# KiCad board shek-rounded.kicad_pcb (continued)
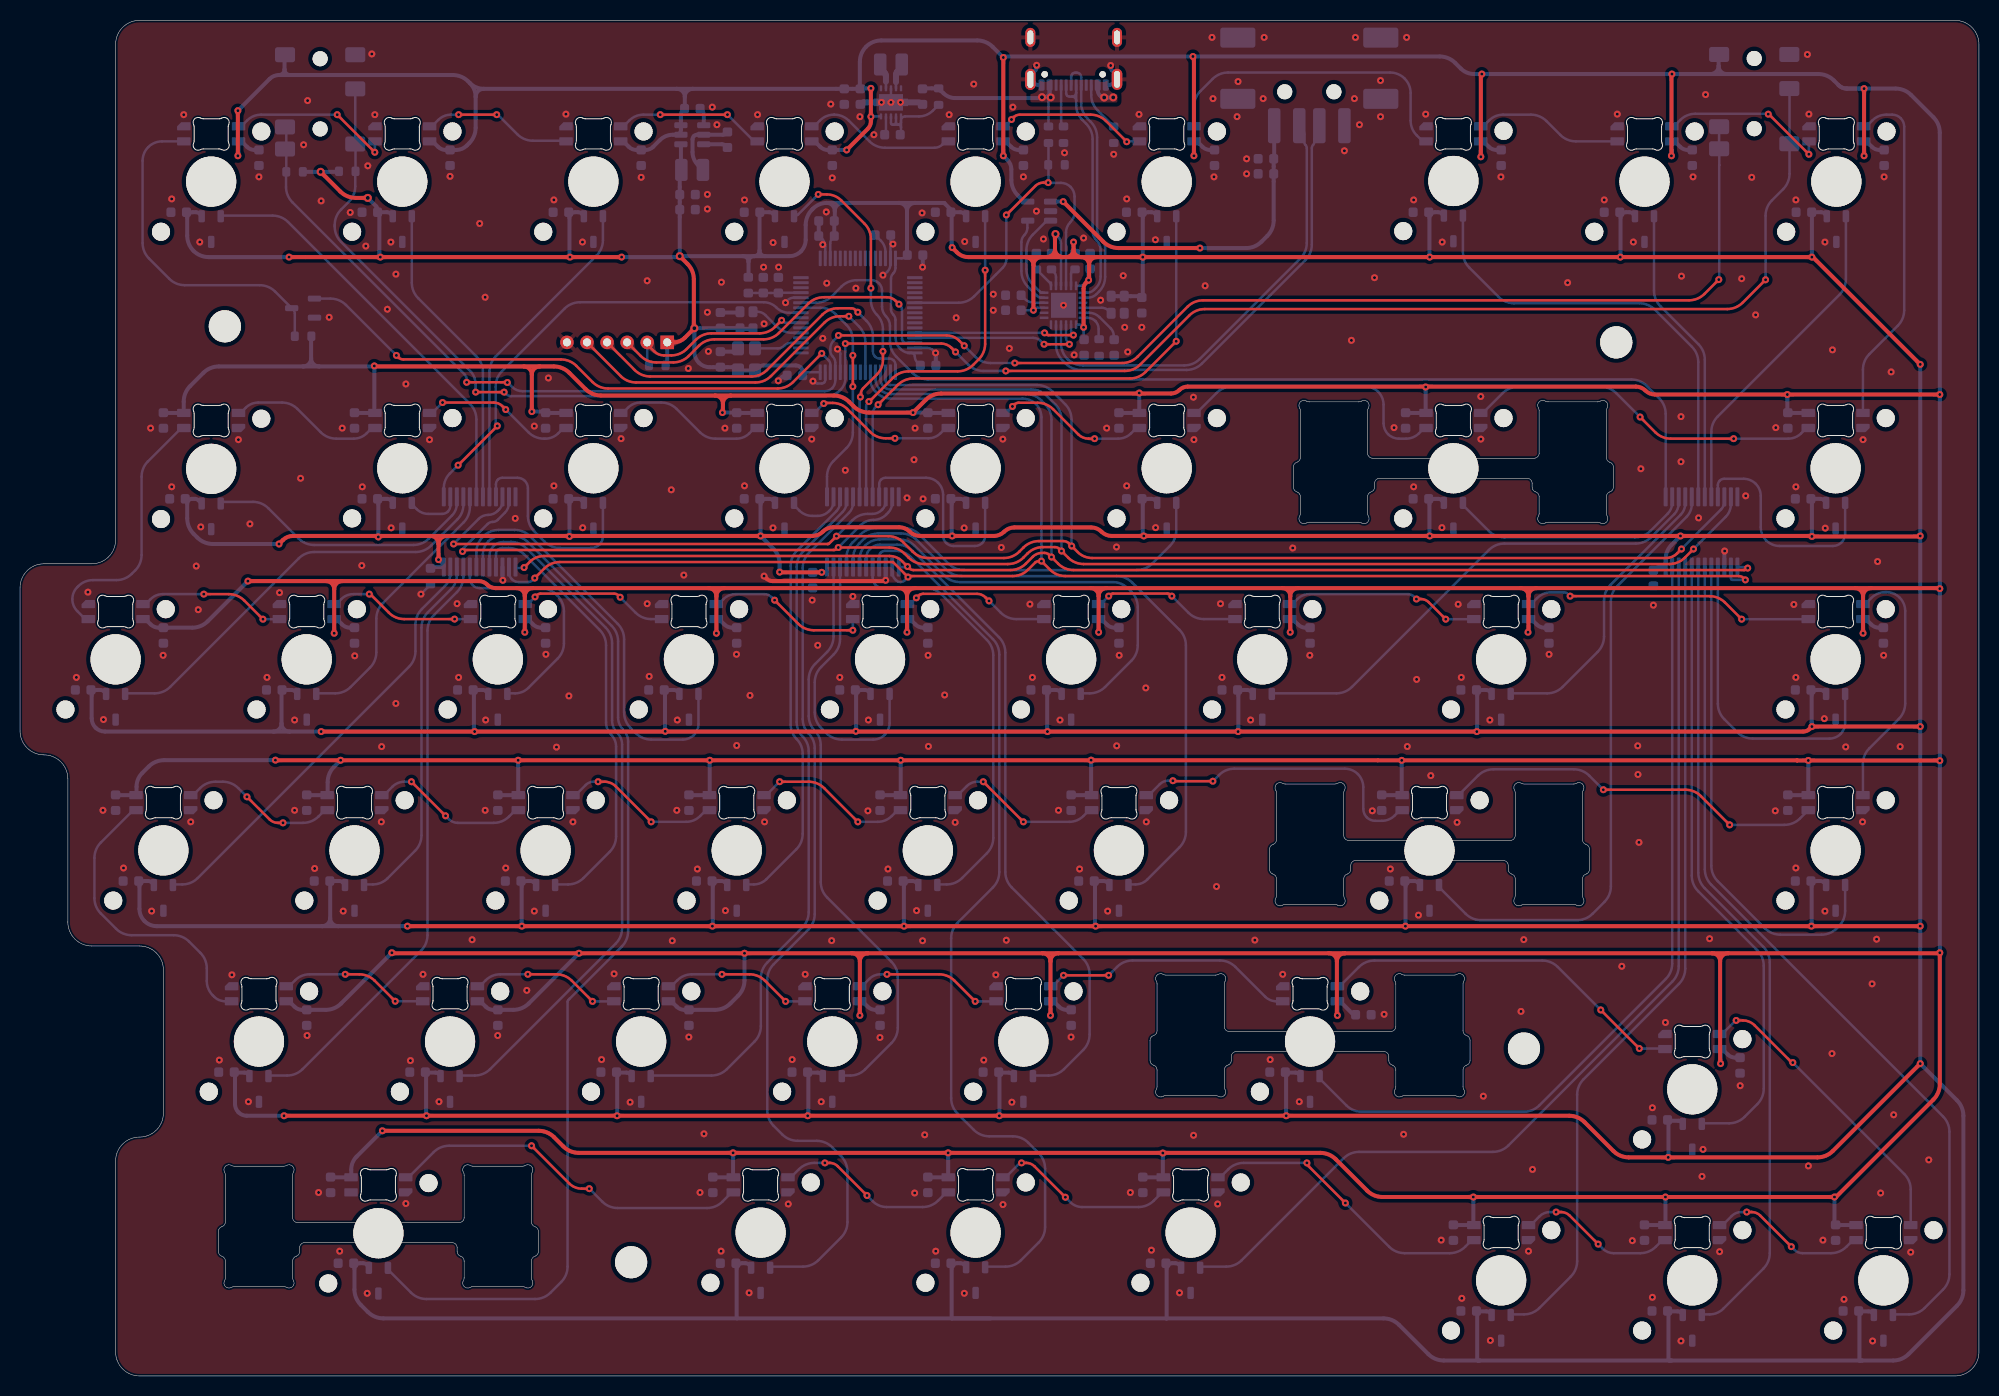
[diagram p0: board, top side]
## Routing (per net, layer and track width the routed paths; a pad name or vN(x,y) marks a point on that pad's centre or on a via; arc(x,y) is an arc through that point) (continued)
5V: length 1549.7
  Top w0.4: v1(70.01,96.04) 70.04,96.06 arc(70.06,96.09) 70.06,96.12 70.06,96.94 ; v1(21.71,121.64) v1(21.71,126.14) ; 130.46,42.14 132.06,42.14 ; 130.46,42.14 103.51,42.14 ; 130.46,42.14 arc(131.03,41.9) 131.26,41.34 ; 132.06,42.14 168.66,42.14 ; 132.06,42.14 arc(131.5,41.9) 131.26,41.34 ; 101.91,42.14 84.51,42.14 ; 101.91,42.14 103.51,42.14 ; 101.91,42.14 arc(102.48,41.9) 102.71,41.34 ; 84.51,42.14 82.91,42.14 ; 84.51,42.14 arc(83.95,41.9) 83.71,41.34 ; 149.56,78.54 127.41,78.54 ; 149.56,78.54 151.16,78.54 ; 149.56,78.54 arc(150.13,78.3) 150.36,77.74 ; 127.41,78.54 125.81,78.54 ; 127.41,78.54 arc(126.85,78.3) 126.61,77.74 ; v1(164.61,121.64) 164.61,129.7 arc(164.62,129.73) 164.64,129.76 v1(164.66,129.79) ; v1(191.36,97.84) v1(176.16,97.84) 162.97,97.84 arc(162.46,97.94) 162.02,98.23 arc(161.58,98.52) 161.06,98.63 140.18,98.63 arc(140.15,98.62) 140.13,98.61 v1(140.11,98.59) 140.09,98.61 arc(140.07,98.62) 140.04,98.63 116.39,98.63 arc(115.94,98.54) 115.56,98.28 arc(115.18,98.03) 114.72,97.94 111.65,97.94 arc(111.62,97.94) 111.59,97.96 v1(111.56,97.99) 111.54,97.96 arc(111.51,97.94) 111.48,97.94 91.81,97.94 arc(90.98,97.77) 90.27,97.3 v1(89.01,96.04) 84.61,96.04 arc(83.78,96.2) 83.07,96.68 82.65,97.1 arc(81.94,97.57) 81.11,97.74 70.86,97.74 ; v1(169.51,31.14) 169.49,31.16 arc(169.47,31.19) 169.46,31.22 169.46,41.34 ; v1(126.61,74.14) 126.61,77.74 ; 126.61,77.74 arc(126.38,78.3) 125.81,78.54 ; v1(102.71,35.94) 102.71,41.34 ; 102.71,41.34 arc(102.95,41.9) 103.51,42.14 ; v1(31.31,74.04) 31.31,78.44 ; 31.31,78.44 arc(31.55,79) 32.11,79.24 ; 31.31,78.44 arc(31.08,79) 30.51,79.24 ; v1(131.31,35.94) 131.29,35.96 arc(131.27,35.99) 131.26,36.02 131.26,41.34 ; v1(25.45,61.39) 25.46,61.38 arc(25.46,61.38) 25.47,61.38 v1(31.95,61.38) v1(49.65,61.38) v1(68.74,61.38) v1(87.78,61.38) 106.75,61.38 arc(106.75,61.38) 106.76,61.38 v1(106.76,61.39) 106.84,61.39 arc(106.84,61.39) 106.85,61.38 arc(106.85,61.38) 106.86,61.38 135.33,61.38 ; v1(88.41,74.14) 88.41,77.74 ; 88.41,77.74 arc(88.18,78.3) 87.61,78.54 ; 88.41,77.74 arc(88.65,78.3) 89.21,78.54 ; 49.51,78.54 51.11,78.54 ; 49.51,78.54 47.41,78.54 arc(46.95,78.63) 46.56,78.89 arc(46.17,79.15) 45.72,79.24 32.11,79.24 ; 49.51,78.54 arc(50.08,78.3) 50.31,77.74 ; 51.11,78.54 68.61,78.54 ; 51.11,78.54 arc(50.55,78.3) 50.31,77.74 ; v1(145.71,129.79) 145.66,129.74 arc(145.63,129.68) 145.61,129.62 v1(145.61,121.54) ; 50.31,77.74 v1(50.31,74.14) ; 32.11,79.24 30.51,79.24 ; v1(116.91,131.54) 116.96,131.49 arc(117,131.43) 117.01,131.37 v1(117.01,121.64) ; v1(84.81,128.36) v1(84.81,125.54) 84.81,125.09 arc(84.73,124.67) 84.49,124.32 v1(82.39,122.22) ; 106.71,78.54 89.21,78.54 ; 106.71,78.54 108.31,78.54 ; 106.71,78.54 arc(107.28,78.3) 107.51,77.74 ; 89.21,78.54 87.61,78.54 ; 70.21,78.54 87.61,78.54 ; 70.21,78.54 68.61,78.54 ; 70.21,78.54 arc(69.65,78.3) 69.41,77.74 ; v1(83.71,35.94) 83.71,41.34 ; 83.71,41.34 arc(83.48,41.9) 82.91,42.14 ; 51.81,100.64 53.21,100.64 arc(54.04,100.47) 54.75,100 56.37,98.38 arc(57.08,97.9) 57.91,97.74 69.26,97.74 ; 51.81,100.64 50.21,100.64 ; 51.81,100.64 arc(51.25,100.4) 51.01,99.84 ; 50.21,100.64 35.4,100.64 arc(35.37,100.64) 35.34,100.66 v1(35.31,100.69) ; 50.21,100.64 arc(50.78,100.4) 51.01,99.84 ; v1(191.36,78.49) 191.34,78.51 arc(191.31,78.53) 191.28,78.54 184.51,78.54 ; v1(137.72,61.37) 137.71,61.38 ; v1(37.06,42.19) 37.09,42.16 arc(37.12,42.14) 37.15,42.14 v1(55.71,42.14) v1(72.21,42.14) 82.91,42.14 ; 151.16,78.54 182.91,78.54 ; 151.16,78.54 arc(150.6,78.3) 150.36,77.74 ; 182.91,78.54 184.51,78.54 ; 182.91,78.54 arc(183.48,78.3) 183.71,77.74 ; 70.06,96.94 arc(69.83,97.5) 69.26,97.74 ; 70.06,96.94 arc(70.3,97.5) 70.86,97.74 ; 135.34,61.37 177.12,61.37 arc(177.13,61.37) 177.13,61.36 arc(177.14,61.36) 177.15,61.36 v1(178.25,61.36) 191.33,61.36 arc(191.34,61.35) 191.35,61.35 v1(191.36,61.34) ; 150.36,77.74 150.36,74.22 arc(150.36,74.19) 150.34,74.16 v1(150.31,74.14) ; v1(36.12,24.44) 51.69,24.44 arc(52.53,24.27) 53.23,23.8 54.16,22.88 arc(54.86,22.4) 55.7,22.24 v1(71.08,22.24) v1(92.51,22.24) 113.88,22.24 arc(113.89,22.24) 113.9,22.23 v1(113.91,22.22) 113.94,22.22 arc(113.96,22.22) 113.97,22.23 arc(113.98,22.24) 113.99,22.24 129.61,22.24 arc(130.44,22.07) 131.15,21.6 134.27,18.48 arc(134.98,18) 135.81,17.84 v1(144.86,17.84) v1(180.86,17.84) 180.94,17.84 arc(181.01,17.85) 181.07,17.89 190.72,27.55 arc(191.2,28.26) 191.36,29.09 v1(191.36,42.19) 191.34,42.16 arc(191.31,42.14) 191.28,42.14 170.26,42.14 ; 30.51,79.24 v1(22.71,79.24) ; v1(51.01,96.14) 51.01,99.84 ; v1(183.81,128.34) v1(183.81,121.64) ; 184.51,78.54 arc(183.95,78.3) 183.71,77.74 ; 70.86,97.74 69.26,97.74 ; 168.66,42.14 170.26,42.14 ; 168.66,42.14 arc(169.23,41.9) 169.46,41.34 ; 170.26,42.14 arc(169.7,41.9) 169.46,41.34 ; 68.61,78.54 arc(69.18,78.3) 69.41,77.74 ; 108.31,78.54 125.81,78.54 ; 108.31,78.54 arc(107.75,78.3) 107.51,77.74 ; v1(107.51,74.14) 107.51,77.74 ; v1(183.71,74.04) 183.71,77.74 ; v1(98.01,131.44) v1(98.01,121.64) ; v1(69.41,74.04) 69.41,77.74
  Bottom w0.25: U3.10 84.86,125.56 arc(84.84,125.56) 84.83,125.55 v1(84.81,125.54)
  Bottom w0.4: C82.2 99.56,122.22 arc(99.14,122.3) 98.78,122.54 98.34,122.98 arc(98.23,123.05) 98.11,123.08 arc(98.01,123.04) 97.98,122.94 97.98,121.7 arc(97.98,121.68) 97.99,121.66 v1(98.01,121.64) 98.41,121.24 arc(98.71,120.79) 98.81,120.27 98.81,119.24 arc(98.98,118.41) 99.45,117.7 99.95,117.2 arc(100.1,117.1) 100.26,117.07 U2.5 ; C103.2 185.29,74.59 arc(184.88,74.68) 184.53,74.91 184.09,75.35 arc(183.98,75.42) 183.84,75.45 arc(183.74,75.41) 183.7,75.31 183.7,74.06 arc(183.7,74.05) 183.71,74.04 v1(183.71,74.04) ; v1(145.61,121.54) 145.61,121.54 arc(145.6,121.55) 145.6,121.56 145.6,122.94 arc(145.64,123.04) 145.73,123.08 arc(145.85,123.05) 145.96,122.98 146.4,122.54 arc(146.76,122.3) 147.18,122.22 C84.2 ; v1(164.61,121.64) 164.63,121.66 arc(164.65,121.68) 164.65,121.7 164.65,122.93 arc(164.69,123.03) 164.79,123.08 arc(164.92,123.05) 165.04,122.97 165.47,122.54 arc(165.83,122.3) 166.24,122.22 C85.2 ; 44.85,128.88 44.67,129.05 arc(43.97,129.52) 43.14,129.69 26.91,129.69 ; 44.85,128.88 arc(45.47,128.46) 46.21,128.31 ; 44.85,128.88 arc(45.27,128.25) 45.41,127.51 ; v1(191.36,42.19) v1(191.36,61.34) v1(191.36,78.49) v1(191.36,97.84) 191.36,123.94 arc(191.2,124.77) 190.72,125.48 188.5,127.7 arc(187.79,128.17) 186.96,128.34 182.08,128.34 ; v1(22.71,79.24) 18.71,75.23 arc(18,74.76) 17.17,74.59 13.82,74.59 arc(13.38,74.68) 13.01,74.93 12.57,75.37 arc(12.48,75.43) 12.37,75.45 LED18.1 ; LED3.1 60,123.08 arc(60.13,123.05) 60.23,122.98 60.67,122.54 arc(61.03,122.3) 61.45,122.22 62.35,122.22 arc(62.76,122.3) 63.11,122.53 63.76,123.19 arc(64.37,123.59) 65.09,123.74 65.4,123.74 arc(65.74,123.88) 65.88,124.21 65.88,125.72 arc(65.92,125.96) 66.06,126.16 66.25,126.35 arc(66.26,126.36) 66.26,126.38 66.26,127.51 ; C96.2 32.88,74.59 arc(32.46,74.68) 32.1,74.92 31.67,75.35 arc(31.56,75.43) 31.44,75.45 arc(31.34,75.41) 31.3,75.32 31.3,74.06 arc(31.3,74.05) 31.31,74.04 v1(31.31,74.04) ; v1(36.12,24.44) 33.55,21.87 arc(33.15,21.27) 33.01,20.58 33.01,19.83 arc(33.01,19.82) 33,19.81 arc(32.99,19.8) 32.98,19.8 31,19.8 arc(30.98,19.8) 30.97,19.81 C119.2 ; C99.2 90.03,74.59 arc(89.6,74.68) 89.24,74.92 88.8,75.36 arc(88.7,75.43) 88.58,75.45 arc(88.49,75.41) 88.45,75.32 88.45,74.2 arc(88.45,74.18) 88.43,74.16 v1(88.41,74.14) ; 33.34,96.03 33.35,96.01 arc(33.36,96) 33.38,96 35.33,96 arc(35.35,96.01) 35.34,96.03 arc(35.32,96.07) 35.31,96.11 v1(35.31,100.69) 35.29,100.66 arc(35.26,100.64) 35.23,100.64 29.81,100.64 ; 83.78,128.33 83.78,128.34 arc(83.81,128.36) 83.85,128.36 v1(84.81,128.36) ; 83.78,128.33 arc(83.76,128.32) 83.73,128.31 ; 83.78,128.33 arc(83.76,128.33) 83.74,128.33 ; 45.41,127.51 45.41,124.44 arc(45.25,123.61) 44.77,122.9 44.53,122.65 arc(44.05,122.33) 43.48,122.22 42.42,122.22 arc(42.01,122.3) 41.67,122.53 41.23,122.97 arc(41.11,123.05) 40.97,123.08 LED2.1 ; 45.41,127.51 arc(45.65,128.08) 46.21,128.31 ; C98.2 70.98,74.59 arc(70.56,74.68) 70.2,74.92 69.77,75.35 arc(69.66,75.43) 69.53,75.45 arc(69.44,75.41) 69.4,75.32 69.4,74.06 arc(69.4,74.05) 69.41,74.04 v1(69.41,74.04) ; LED14.1 71.48,96 arc(71.46,96) 71.45,96.01 71.43,96.03 arc(71.42,96.04) 71.42,96.04 v1(70.01,96.04) ; 65.46,128.31 67.06,128.31 ; 65.46,128.31 46.21,128.31 ; 65.46,128.31 arc(66.03,128.08) 66.26,127.51 ; 67.06,128.31 83.73,128.31 ; 67.06,128.31 arc(66.5,128.08) 66.26,127.51 ; C104.2 9.54,57.91 arc(9.55,57.9) 9.57,57.9 11.53,57.9 arc(11.56,57.91) 11.59,57.93 arc(11.61,57.95) 11.61,57.99 11.61,58.74 arc(11.76,59.48) 12.17,60.1 12.82,60.75 arc(13.53,61.22) 14.36,61.39 v1(25.45,61.39) ; C106.2 47.64,57.91 arc(47.65,57.9) 47.67,57.9 49.66,57.9 arc(49.66,57.9) 49.66,57.91 arc(49.65,57.91) 49.65,57.92 v1(49.65,61.38) 49.66,61.37 ; v1(169.51,31.14) 169.51,32.42 arc(169.5,32.48) 169.46,32.54 arc(169.46,32.57) 169.48,32.59 169.54,32.59 arc(169.66,32.56) 169.76,32.5 170.2,32.06 arc(170.56,31.82) 170.99,31.73 C118.2 ; v1(31.95,61.38) 31.3,60.73 arc(30.83,60.02) 30.66,59.19 30.66,57.99 arc(30.66,57.95) 30.64,57.93 arc(30.61,57.91) 30.58,57.9 28.62,57.9 arc(28.6,57.9) 28.59,57.91 C105.2 ; v1(176.16,97.84) 176.16,96.11 arc(176.17,96.08) 176.19,96.05 176.23,96.01 arc(176.24,96) 176.26,96 LED10.1 ; v1(55.71,42.14) 50.71,37.13 arc(50,36.66) 49.17,36.49 47.18,36.49 arc(46.77,36.58) 46.42,36.81 45.98,37.25 arc(45.87,37.32) 45.73,37.35 LED36.1 ; v1(107.51,74.14) 107.51,74.14 arc(107.5,74.15) 107.5,74.16 107.5,75.31 arc(107.54,75.41) 107.64,75.45 arc(107.78,75.42) 107.89,75.35 108.33,74.91 arc(108.68,74.68) 109.09,74.59 C100.2 ; v1(113.91,22.22) 113.91,19.87 arc(113.92,19.85) 113.93,19.82 arc(113.94,19.81) 113.93,19.8 111.96,19.8 arc(111.95,19.8) 111.93,19.81 C122.2 ; 26.91,129.69 25.81,129.69 ; 26.91,129.69 arc(26.52,129.85) 26.36,130.24 ; 25.81,129.69 arc(25.3,129.59) 24.87,129.3 v1(21.71,126.14) ; 25.81,129.69 arc(26.2,129.85) 26.36,130.24 ; v1(72.21,42.14) 72.21,39.44 arc(72.05,38.61) 71.57,37.9 70.81,37.13 arc(70.1,36.66) 69.27,36.49 66.23,36.49 arc(65.81,36.58) 65.46,36.81 65.02,37.25 arc(64.91,37.32) 64.78,37.35 LED37.1 ; v1(37.06,42.19) 32.01,37.13 arc(31.3,36.66) 30.47,36.49 28.13,36.49 arc(27.71,36.58) 27.36,36.81 26.92,37.25 arc(26.81,37.32) 26.68,37.35 LED35.1 ; C117.2 133.02,36.01 arc(132.92,36.03) 132.84,36.08 131.66,37.26 arc(131.56,37.33) 131.44,37.35 arc(131.35,37.31) 131.31,37.22 v1(131.31,35.94) ; v1(183.81,121.64) 183.81,123.01 arc(183.81,123.04) 183.79,123.06 arc(183.79,123.07) 183.8,123.08 183.91,123.08 arc(184.03,123.05) 184.14,122.98 184.58,122.54 arc(184.94,122.3) 185.36,122.22 C86.2 ; 83.73,128.31 arc(83.74,128.32) 83.74,128.33 ; v1(117.01,121.64) 117.02,121.64 arc(117.02,121.65) 117.02,121.66 117.02,122.93 arc(117.07,123.03) 117.17,123.08 arc(117.31,123.05) 117.43,122.97 117.87,122.53 arc(118.21,122.3) 118.62,122.22 C83.2 ; 182.08,128.34 v1(183.81,128.34) ; 182.08,128.34 arc(181.65,128.42) 181.28,128.67 ; 182.08,128.34 arc(181.65,128.42) 181.28,128.67 ; 68.71,61.35 v1(68.74,61.38) 68.74,57.95 arc(68.74,57.93) 68.73,57.92 arc(68.71,57.9) 68.69,57.9 66.72,57.9 arc(66.7,57.9) 66.69,57.91 C107.2 ; 14.29,96.03 14.3,96.01 arc(14.31,96) 14.33,96 16.32,96 arc(16.32,96) 16.32,96.01 arc(16.31,96.01) 16.31,96.02 16.31,97.14 arc(16.48,97.97) 16.95,98.68 18.27,100 arc(18.98,100.47) 19.81,100.64 28.21,100.64 ; v1(180.86,17.84) 180.86,15.25 arc(180.88,15.18) 180.92,15.12 180.99,15.05 arc(181,15.04) 181.02,15.04 LED42.1 ; LED15.1 52.43,96 arc(52.41,96) 52.4,96.01 52.33,96.08 arc(52.27,96.12) 52.2,96.14 v1(51.01,96.14) ; C121.2 90.5,19.81 arc(90.51,19.8) 90.53,19.8 92.52,19.8 arc(92.52,19.8) 92.52,19.81 arc(92.51,19.81) 92.51,19.82 v1(92.51,22.24) ; 170.11,129.79 168.51,129.79 ; 170.11,129.79 179.26,129.79 arc(180.09,129.62) 180.8,129.15 181.28,128.67 ; 170.11,129.79 arc(169.55,130.02) 169.31,130.59 ; 168.51,129.79 v1(164.66,129.79) v1(145.71,129.79) 144.94,129.79 arc(144.22,129.93) 143.61,130.34 143.05,130.9 arc(142.34,131.37) 141.51,131.54 117.18,131.54 arc(117.12,131.52) 117.06,131.49 117.01,131.44 ; 168.51,129.79 arc(169.08,130.02) 169.31,130.59 ; 169.31,130.59 169.31,131.65 arc(169.32,131.68) 169.34,131.71 J5.2 ; C116.2 104.33,36.49 arc(103.91,36.58) 103.56,36.81 103.12,37.25 arc(103.01,37.32) 102.88,37.35 arc(102.78,37.31) 102.74,37.21 102.74,35.98 arc(102.73,35.96) 102.73,35.95 v1(102.71,35.94) ; 137.77,61.32 v1(137.72,61.37) 137.72,57.98 arc(137.73,57.95) 137.75,57.92 arc(137.75,57.91) 137.74,57.9 135.77,57.9 arc(135.76,57.9) 135.74,57.91 C110.2 ; C120.2 69.07,19.81 arc(69.08,19.8) 69.1,19.8 71.08,19.8 arc(71.09,19.8) 71.08,19.81 arc(71.08,19.82) 71.08,19.83 v1(71.08,22.24) 71.09,22.22 ; C89.2 109.55,96.01 arc(109.56,96) 109.58,96 111.57,96 arc(111.57,96) 111.57,96.01 arc(111.56,96.01) 111.56,96.02 v1(111.56,97.99) ; C78.2 23.37,122.22 arc(22.96,122.3) 22.62,122.53 22.18,122.97 arc(22.06,123.05) 21.92,123.08 arc(21.82,123.03) 21.77,122.93 21.77,121.74 arc(21.77,121.7) 21.74,121.67 v1(21.71,121.64) ; v1(150.31,74.14) 150.34,74.16 arc(150.36,74.19) 150.36,74.22 150.36,75.31 arc(150.4,75.41) 150.5,75.45 arc(150.63,75.42) 150.74,75.35 151.18,74.91 arc(151.53,74.68) 151.95,74.59 C102.2 ; v1(83.71,35.94) 83.7,35.95 arc(83.69,35.96) 83.69,35.98 83.69,37.22 arc(83.73,37.31) 83.82,37.35 arc(83.94,37.33) 84.04,37.26 84.48,36.82 arc(84.84,36.58) 85.27,36.49 C115.2 ; 28.21,100.64 29.81,100.64 ; 28.21,100.64 arc(28.78,100.87) 29.01,101.44 ; v1(116.91,131.54) 98.18,131.54 arc(98.12,131.52) 98.06,131.49 v1(98.01,131.44) 96.95,132.5 arc(96.24,132.97) 95.41,133.14 85.85,133.14 arc(85.03,132.98) 84.34,132.51 arc(83.87,131.82) 83.71,131 83.71,128.39 arc(83.72,128.36) 83.74,128.33 ; LED13.1 90.53,96 arc(90.51,96) 90.5,96.01 90.48,96.03 arc(90.47,96.04) 90.47,96.04 v1(89.01,96.04) ; 29.81,100.64 arc(29.25,100.87) 29.01,101.44 ; C109.2 104.79,57.91 arc(104.8,57.9) 104.82,57.9 106.78,57.9 arc(106.79,57.91) 106.79,57.93 arc(106.77,57.95) 106.76,57.99 v1(106.76,61.39) ; 26.36,130.24 26.36,131.63 arc(26.37,131.66) 26.39,131.69 J3.2 ; C97.2 51.93,74.59 arc(51.5,74.68) 51.14,74.92 50.7,75.36 arc(50.6,75.43) 50.48,75.45 arc(50.39,75.41) 50.35,75.32 50.35,74.2 arc(50.35,74.18) 50.33,74.16 v1(50.31,74.14) ; v1(126.61,74.14) 126.61,75.34 arc(126.6,75.38) 126.58,75.42 arc(126.58,75.44) 126.59,75.45 126.7,75.45 arc(126.84,75.42) 126.96,75.34 127.39,74.91 arc(127.74,74.67) 128.15,74.59 C101.2 ; C111.2 176.23,57.91 arc(176.24,57.9) 176.26,57.9 178.25,57.9 arc(178.25,57.9) 178.25,57.9 arc(178.25,57.9) 178.25,57.9 v1(178.25,61.36) 178.25,61.36 ; C124.2 161.94,15.05 arc(161.95,15.04) 161.97,15.04 163.93,15.04 arc(163.96,15.04) 163.99,15.06 arc(164.01,15.09) 164.01,15.12 v1(164.01,17.84) 163.96,17.79 ; v1(144.86,17.84) 144.86,15.12 arc(144.87,15.09) 144.89,15.06 arc(144.89,15.05) 144.88,15.04 142.92,15.04 arc(142.9,15.04) 142.89,15.05 C123.2 ; v1(82.39,122.22) 80.52,122.22 arc(80.11,122.3) 79.76,122.53 79.32,122.97 arc(79.2,123.05) 79.07,123.08 LED4.1 ; C108.2 85.74,57.91 arc(85.75,57.9) 85.77,57.9 87.75,57.9 arc(87.76,57.9) 87.77,57.91 arc(87.78,57.92) 87.78,57.93 v1(87.78,61.38) 87.76,61.36 ; v1(140.11,98.59) 140.11,96.06 arc(140.12,96.04) 140.13,96.02 arc(140.13,96.01) 140.12,96 138.16,96 arc(138.14,96) 138.12,96.01 C88.2 ; 29.01,101.44 29.01,103.61 arc(29.02,103.62) 29.02,103.64 R13.2
